# Altium PCB ALCT_MEZ_SPARTAN6T.PcbDoc (part 7 of 12)
Units mil, origin at the board's own origin, x right, y up, seen from the top; angles counter-clockwise.
Board outline 4100 x 5351.19 mil, 12 copper layers (Top Layer, Mid-Layer 1, +3V3, Mid-Layer 2, +1V2, Mid-Layer 4, +1V8, Mid-Layer 5, GND1, Mid-Layer 7, GND2, Bottom Layer), stack 64.7 mil thick; 320 components, 598 nets, 2316 pads, 1572 vias.
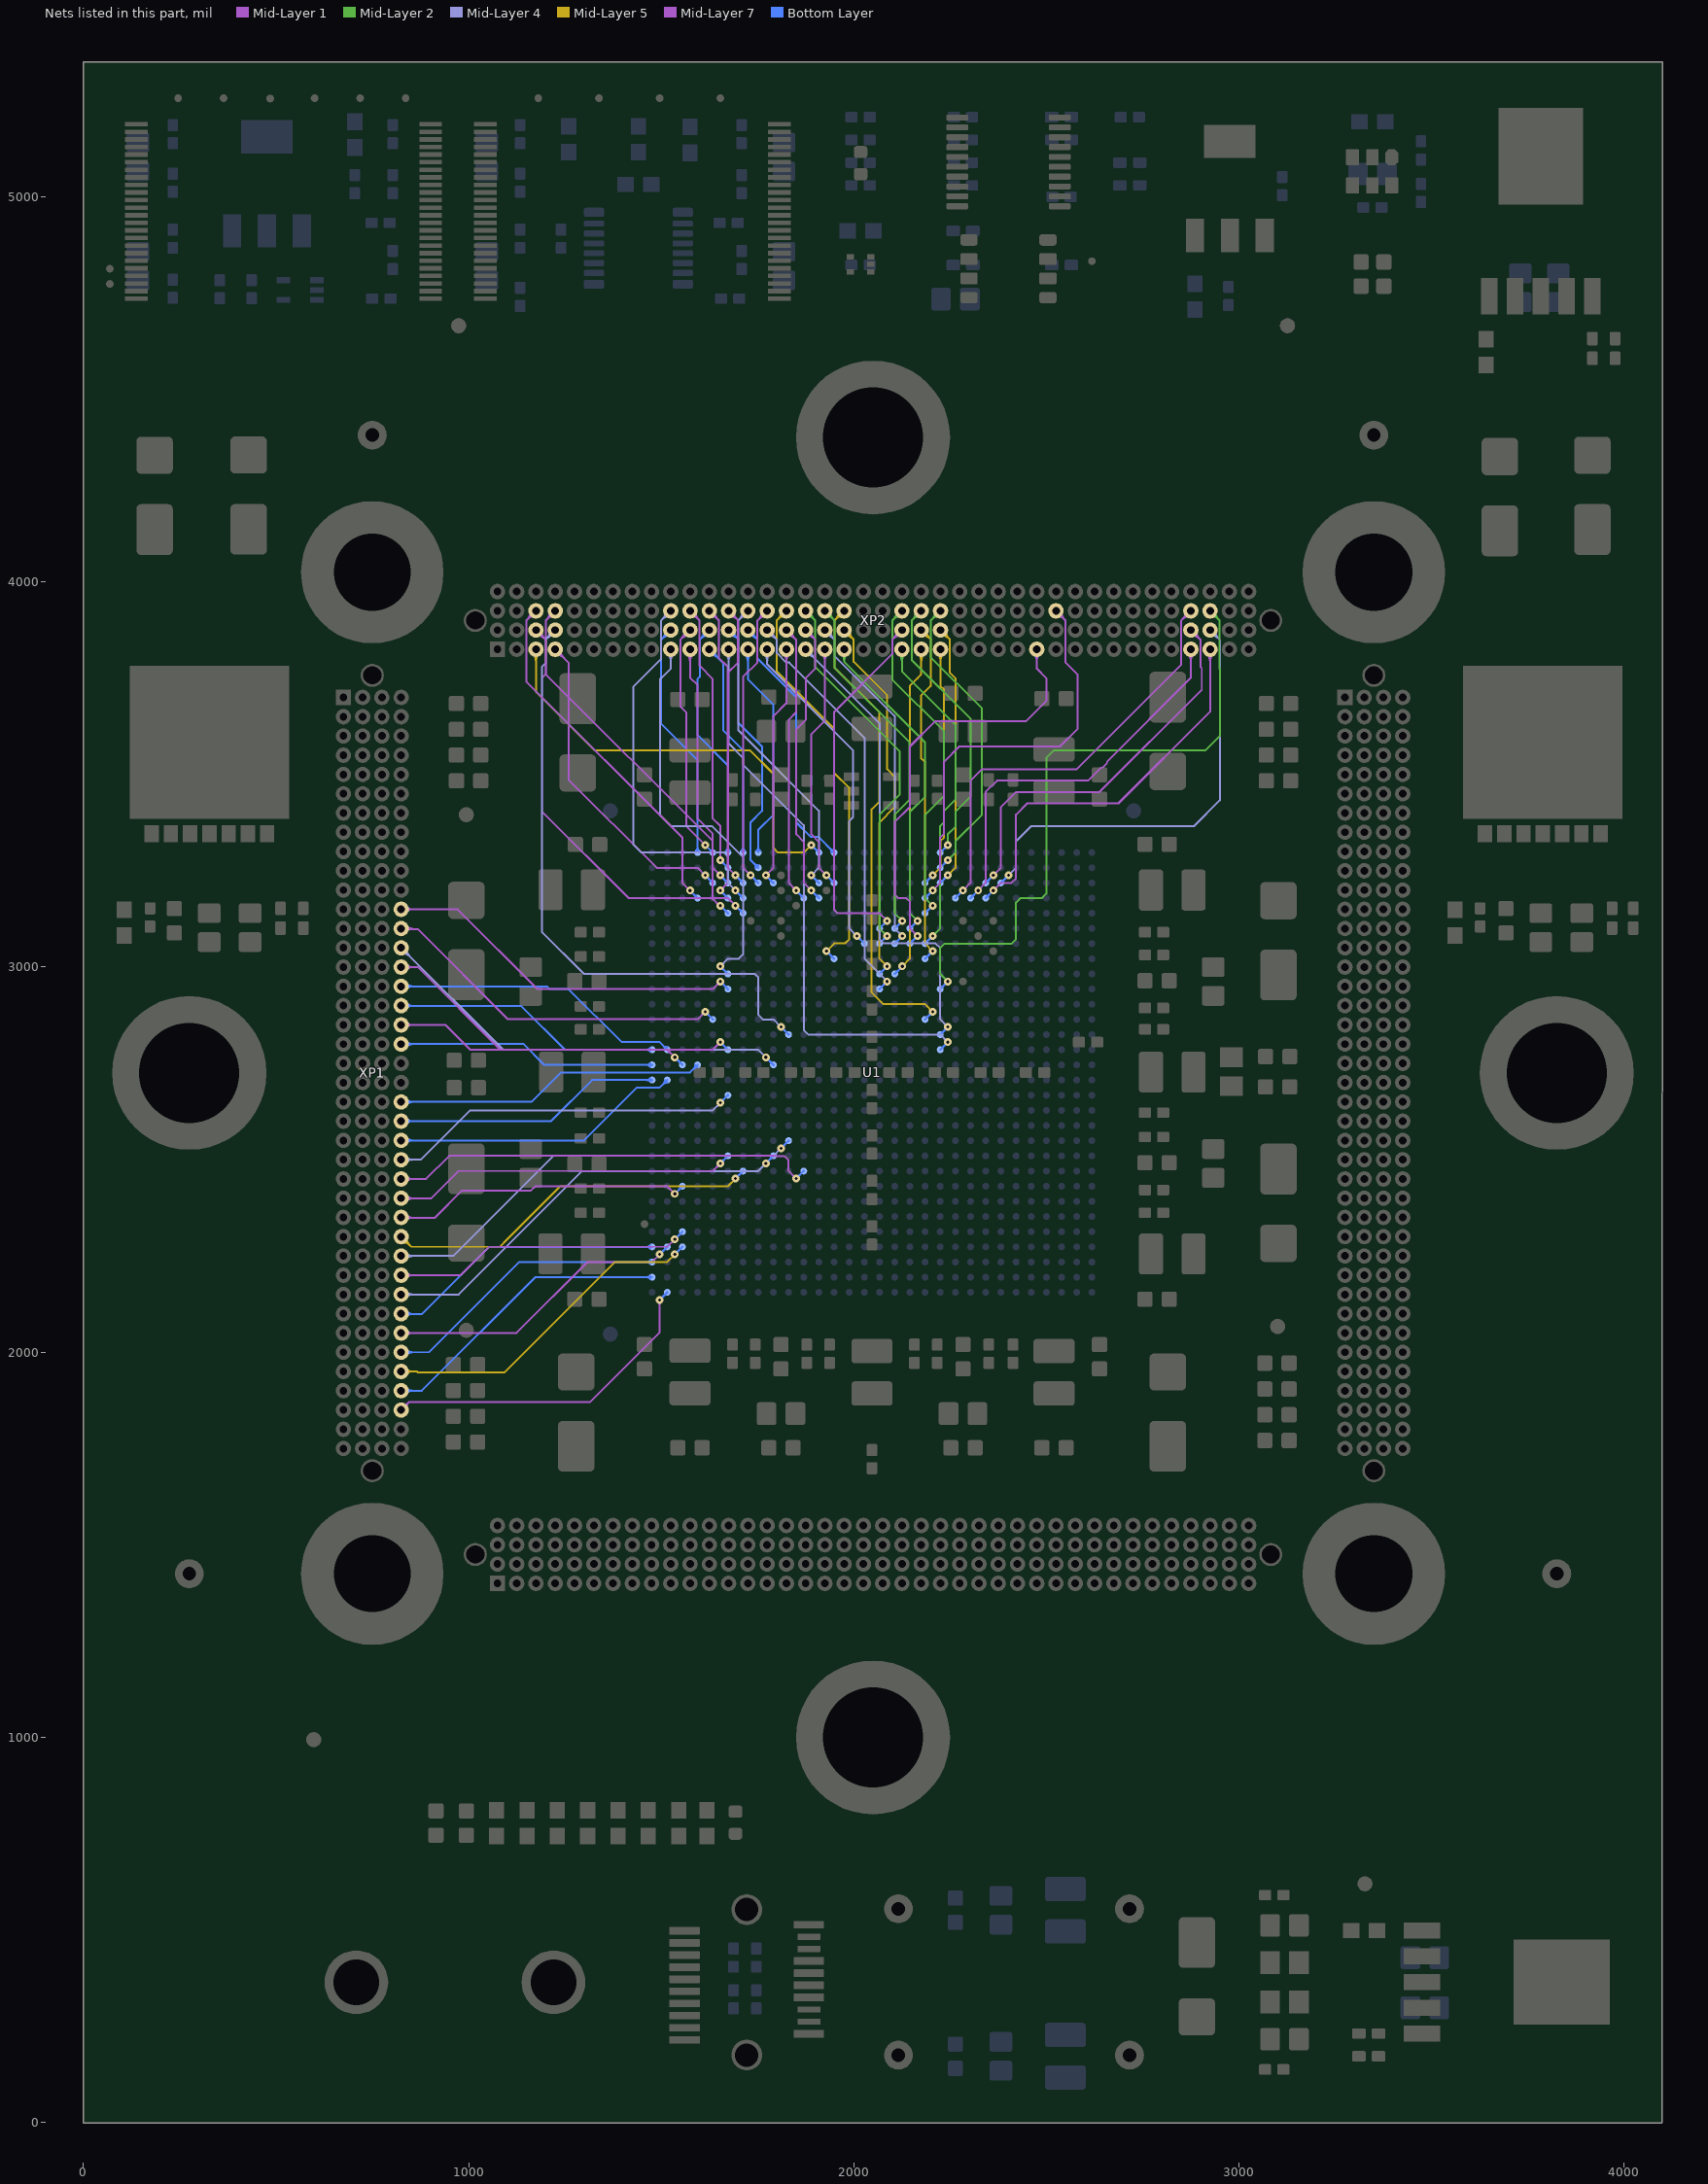
[diagram p17: the nets of this part, all layers, seen from the top]

## Via types
v1: diameter 20, hole 8, Top Layer to Bottom Layer, tented both sides, 1562 vias
v2: diameter 40, hole 20, Top Layer to Bottom Layer, 6 vias
v3: diameter 40, hole 20, Top Layer to Bottom Layer, tented both sides, 4 vias

## Nets (pads, with @x,y where several pads share a name; then routed paths per layer and width w, separated by ;. In a path a pad name is that pad's centre, name@x,y a point inside that pad or via, vN(x,y) a via of type N, cw(c..) or ccw(c..) an arc to the next point about the centre after c; other vN are vias at no path point) (continued)
XP1D_12: U1.AE21 XP1.D12 | length 1117.1
  Mid-Layer 1 w5: XP1.D12@825,3150 972.07,3150 1179.1,2942.97 1633.93,2942.97 v1(1653.56,2962.6) ; XP1.D12@834.54,3140.45 cw(c857.59,3117.41) 857.59,3150 ; XP1.D12@834.54,3159.55 ccw(c857.59,3182.59) 857.59,3150 ; XP1.D12@834.55,3140.45 cw(c857.6,3117.41) 857.6,3150 ; XP1.D12@834.55,3159.55 ccw(c857.6,3182.59) 857.6,3150 ; 845.52,3150 ccw(c845.52,3129.48) 831.01,3143.99 cw(c845.52,3129.48) 845.52,3150 ; 845.52,3150 cw(c845.52,3170.52) 831.01,3156.01 ccw(c845.52,3170.52) 845.52,3150
  Bottom Layer w6: v1(1653.56,2962.6) U1.AE21@1673.23,2942.91
XP1D_13: U1.AF19 XP1.D13 | length 1089.1
  Mid-Layer 1 w5: XP1.D13@825,3098.82 867.72,3098.82 1102.2,2864.34 1594.68,2864.34 v1(1614.18,2883.84) ; XP1.D13@834.54,3090.45 cw(c854.74,3070.26) 854.74,3098.82 ccw(c854.74,3070.26) XP1.D13@834.55,3090.45 ; XP1.D13@834.54,3109.55 ccw(c860.44,3135.44) 860.44,3098.82 cw(c860.45,3135.44) XP1.D13@834.55,3109.55 ; XP1.D13@831.01,3093.99 cw(c842.67,3082.33) 842.67,3098.82 ccw(c842.66,3082.33) XP1.D13@831.01,3093.99 ; XP1.D13@831.01,3106.01 ccw(c848.38,3123.37) 848.38,3098.82 cw(c848.37,3123.37) XP1.D13@831.01,3106.01
  Bottom Layer w6: v1(1614.18,2883.84) U1.AF19@1633.86,2864.17
XP1D_14: U1.AB16 XP1.D14 | length 1259.1
  Mid-Layer 4 w5: XP1.D14@825,3036.5 cw(c825,3003.91) 848.04,3026.95 cw(c871.09,3050) XP1.D14@838.5,3050 ; XP1.D14@825,3041.5 cw(c825,3020.98) 839.51,3035.49 ; XP1.D14@825,3036.5 cw(c825,3003.91) 848.05,3026.95 cw(c871.09,3050) XP1.D14@838.5,3050 ; XP1.D14@825,3041.5 cw(c825,3020.98) 839.51,3035.49 ; XP1.D14@825,3050 1089.57,2785.43 1623.83,2785.43 1624.02,2785.25 1752.16,2785.25 v1(1771.66,2765.75) ; XP1.D14@833.5,3050 ccw(c854.02,3050) 839.51,3035.49 ; XP1.D14@833.5,3050 ccw(c854.02,3050) 839.51,3035.49
  Bottom Layer w6: v1(1771.66,2765.75) U1.AB16@1791.34,2746.06
XP1D_15: U1.AE17 XP1.D15 | length 1120.2
  Mid-Layer 1 w5: XP1.D15@825,3000 868.11,3000 1082.63,2785.48 1633.93,2785.48 v1(1653.56,2805.11) ; XP1.D15@834.54,2990.45 cw(c857.59,2967.41) 857.59,3000 ; XP1.D15@834.54,3009.55 ccw(c857.59,3032.59) 857.59,3000 ; XP1.D15@834.55,2990.45 cw(c857.6,2967.41) 857.6,3000 ; XP1.D15@834.55,3009.55 ccw(c857.6,3032.59) 857.6,3000 ; 845.52,3000 ccw(c845.52,2979.48) 831.01,2993.99 cw(c845.52,2979.48) 845.52,3000 ; 845.52,3000 cw(c845.52,3020.52) 831.01,3006.01 ccw(c845.52,3020.52) 845.52,3000
  Bottom Layer w6: v1(1653.56,2805.11) U1.AE17@1673.23,2785.43
XP1D_16: U1.AJ17 XP1.D16 | length 949.9
  Bottom Layer w5: XP1.D16@825,2950 1203.54,2950 1210.44,2943.1 1259.66,2943.1 1397.64,2805.12 1496.06,2805.12 U1.AJ17@1515.75,2785.43 ; XP1.D16@834.54,2940.45 cw(c857.59,2917.41) 857.59,2950 ; XP1.D16@834.54,2959.55 ccw(c857.59,2982.59) 857.59,2950 ; XP1.D16@834.55,2940.45 cw(c857.6,2917.41) 857.6,2950 ; XP1.D16@834.55,2959.55 ccw(c857.6,2982.59) 857.6,2950 ; U1.AJ17@1509.39,2785.43 ccw(c1494.04,2785.43) 1504.89,2796.29 ccw(c1515.75,2807.14) U1.AJ17@1515.75,2791.79 ; 845.52,2950 ccw(c845.52,2929.48) 831.01,2943.99 cw(c845.52,2929.48) 845.52,2950 ; 845.52,2950 cw(c845.52,2970.52) 831.01,2956.01 ccw(c845.52,2970.52) 845.52,2950
XP1D_17: U1.AK17 XP1.D17 | length 889.3
  Bottom Layer w5: XP1.D17@825,2898.82 1136.61,2898.82 1250,2785.43 U1.AK17@1476.38,2785.43 ; XP1.D17@834.54,2890.45 cw(c854.74,2870.26) 854.74,2898.82 ccw(c854.74,2870.26) XP1.D17@834.55,2890.45 ; XP1.D17@834.54,2909.55 ccw(c860.44,2935.44) 860.44,2898.82 cw(c860.45,2935.44) XP1.D17@834.55,2909.55 ; U1.AK17@1471.88,2780.94 ccw(c1461.03,2770.08) 1461.03,2785.43 ccw(c1461.03,2800.78) U1.AK17@1471.88,2789.93 ; XP1.D17@831.01,2893.99 cw(c842.67,2882.33) 842.67,2898.82 ccw(c842.67,2882.33) XP1.D17@831.01,2893.99 ; XP1.D17@831.01,2906.01 ccw(c848.38,2923.37) 848.38,2898.82 cw(c848.37,2923.37) XP1.D17@831.01,2906.01
XP1D_18: U1.AH16 XP1.D18 | length 944.7
  Mid-Layer 7 w5: XP1.D18@825,2850 939.37,2850 1003.94,2785.43 1515.75,2785.43 v1(1535.43,2765.75) ; XP1.D18@834.54,2840.45 cw(c857.59,2817.41) 857.59,2850 ; XP1.D18@834.54,2859.55 ccw(c857.59,2882.59) 857.59,2850 ; XP1.D18@834.55,2840.45 cw(c857.6,2817.41) 857.6,2850 ; XP1.D18@834.55,2859.55 ccw(c857.6,2882.59) 857.6,2850 ; 845.52,2850 ccw(c845.52,2829.48) 831.01,2843.99 cw(c845.52,2829.48) 845.52,2850 ; 845.52,2850 cw(c845.52,2870.52) 831.01,2856.01 ccw(c845.52,2870.52) 845.52,2850
  Bottom Layer w6: v1@1532.11,2769.08 U1.AH16@1555.12,2746.06
XP1D_19: U1.AK16 XP1.D19 | length 864.7
  Bottom Layer w5: XP1.D19@825,2800 1142.93,2800 1196.87,2746.06 U1.AK16@1476.38,2746.06 ; XP1.D19@834.54,2790.45 cw(c857.59,2767.41) 857.59,2800 ; XP1.D19@834.54,2809.55 ccw(c857.59,2832.59) 857.59,2800 ; XP1.D19@834.55,2790.45 cw(c857.6,2767.41) 857.6,2800 ; XP1.D19@834.55,2809.55 ccw(c857.6,2832.59) 857.6,2800 ; U1.AK16@1471.88,2741.57 ccw(c1461.03,2730.71) 1461.03,2746.06 ccw(c1461.03,2761.41) U1.AK16@1471.88,2750.56 ; 845.52,2800 ccw(c845.52,2779.48) 831.01,2793.99 cw(c845.52,2779.48) 845.52,2800 ; 845.52,2800 cw(c845.52,2820.52) 831.01,2806.01 ccw(c845.52,2820.52) 845.52,2800
XP1D_22: U1.AG16 XP1.D22 | length 1000.2
  Bottom Layer w5: XP1.D22@825,2650 1163.78,2650 1240.16,2726.38 1574.8,2726.38 U1.AG16@1594.49,2746.06 ; XP1.D22@834.54,2640.45 cw(c857.59,2617.41) 857.59,2650 ; XP1.D22@834.54,2659.55 ccw(c857.59,2682.59) 857.59,2650 ; XP1.D22@834.55,2640.45 cw(c857.6,2617.41) 857.6,2650 ; XP1.D22@834.55,2659.55 ccw(c857.6,2682.59) 857.6,2650 ; U1.AG16@1588.13,2746.06 cw(c1572.78,2746.06) 1583.63,2735.21 cw(c1594.49,2724.35) U1.AG16@1594.49,2739.7 ; 845.52,2650 ccw(c845.52,2629.48) 831.01,2643.99 cw(c845.52,2629.48) 845.52,2650 ; 845.52,2650 cw(c845.52,2670.52) 831.01,2656.01 ccw(c845.52,2670.52) 845.52,2650
XP1D_23: U1.AK15 XP1.D23 | length 886.6
  Bottom Layer w5: XP1.D23@825,2600 1214.16,2600 1320.85,2706.69 U1.AK15@1476.38,2706.69 ; XP1.D23@834.54,2590.45 cw(c857.59,2567.41) 857.59,2600 ; XP1.D23@834.54,2609.55 ccw(c857.59,2632.59) 857.59,2600 ; XP1.D23@834.55,2590.45 cw(c857.6,2567.41) 857.6,2600 ; XP1.D23@834.55,2609.55 ccw(c857.6,2632.59) 857.6,2600 ; U1.AK15@1471.88,2702.2 ccw(c1461.03,2691.34) 1461.03,2706.69 ccw(c1461.03,2722.04) U1.AK15@1471.88,2711.19 ; 845.52,2600 ccw(c845.52,2579.48) 831.01,2593.99 cw(c845.52,2579.48) 845.52,2600 ; 845.52,2600 cw(c845.52,2620.52) 831.01,2606.01 ccw(c845.52,2620.52) 845.52,2600
XP1D_24: U1.AJ15 XP1.D24 | length 946.6
  Bottom Layer w5: XP1.D24@825,2550 1300,2550 1437.31,2687.31 1496.37,2687.31 U1.AJ15@1515.75,2706.69 ; XP1.D24@834.54,2540.45 cw(c857.59,2517.41) 857.59,2550 ; XP1.D24@834.54,2559.55 ccw(c857.59,2582.59) 857.59,2550 ; XP1.D24@834.55,2540.45 cw(c857.6,2517.41) 857.6,2550 ; XP1.D24@834.55,2559.55 ccw(c857.6,2582.59) 857.6,2550 ; U1.AJ15@1509.39,2706.69 cw(c1494.04,2706.69) 1504.89,2695.84 cw(c1515.75,2684.98) U1.AJ15@1515.75,2700.33 ; 845.52,2550 ccw(c845.52,2529.48) 831.01,2543.99 cw(c845.52,2529.48) 845.52,2550 ; 845.52,2550 cw(c845.52,2570.52) 831.01,2556.01 ccw(c845.52,2570.52) 845.52,2550
XP1D_25: U1.AE14 XP1.D25 | length 1084.4
  Mid-Layer 4 w5: XP1.D25@825,2500 875.98,2500 1003.94,2627.95 1633.89,2627.95 v1(1653.56,2647.63) ; XP1.D25@834.54,2490.45 cw(c857.59,2467.41) 857.59,2500 ; XP1.D25@834.54,2509.55 ccw(c857.59,2532.59) 857.59,2500 ; XP1.D25@834.55,2490.45 cw(c857.6,2467.41) 857.6,2500 ; XP1.D25@834.55,2509.55 ccw(c857.6,2532.59) 857.6,2500 ; 845.52,2500 ccw(c845.52,2479.48) 831.01,2493.99 cw(c845.52,2479.48) 845.52,2500 ; 845.52,2500 cw(c845.52,2520.52) 831.01,2506.01 ccw(c845.52,2520.52) 845.52,2500
  Bottom Layer w6: v1(1653.56,2647.63) U1.AE14@1673.24,2667.31
XP1D_26: U1.Y9 XP1.D26 | length 1285.5
  Mid-Layer 1 w5: XP1.D26@825,2450 889.96,2450 949.73,2509.77 1791.34,2509.77 1791.53,2509.59 1791.58,2509.64 1819.1,2509.64 1830.53,2498.22 1830.53,2470.64 v1(1850.39,2450.78) ; XP1.D26@834.54,2440.45 cw(c857.59,2417.41) 857.59,2450 ; XP1.D26@834.54,2459.55 ccw(c857.59,2482.59) 857.59,2450 ; XP1.D26@834.55,2440.45 cw(c857.6,2417.41) 857.6,2450 ; XP1.D26@834.55,2459.55 ccw(c857.6,2482.59) 857.6,2450 ; 845.52,2450 ccw(c845.52,2429.48) 831.01,2443.99 cw(c845.52,2429.48) 845.52,2450 ; 845.52,2450 cw(c845.52,2470.52) 831.01,2456.01 ccw(c845.52,2470.52) 845.52,2450
  Bottom Layer w6: v1(1850.39,2450.78) U1.Y9@1870.08,2470.47
XP1D_27: U1.AE10 XP1.D27 | length 1061.1
  Mid-Layer 1 w5: XP1.D27@825,2398.82 902.76,2398.82 974.58,2470.64 1634.06,2470.64 v1(1653.56,2490.14) ; XP1.D27@834.54,2390.45 cw(c854.74,2370.26) 854.74,2398.82 ccw(c854.74,2370.26) XP1.D27@834.55,2390.45 ; XP1.D27@834.54,2409.55 ccw(c860.44,2435.44) 860.44,2398.82 cw(c860.45,2435.44) XP1.D27@834.55,2409.55 ; XP1.D27@831.01,2393.99 cw(c842.67,2382.33) 842.67,2398.82 ccw(c842.66,2382.33) XP1.D27@831.01,2393.99 ; XP1.D27@831.01,2406.01 ccw(c848.38,2423.37) 848.38,2398.82 cw(c848.37,2423.37) XP1.D27@831.01,2406.01
  Bottom Layer w6: v1(1653.56,2490.14) U1.AE10@1673.23,2509.84
XP1D_28: U1.AH8 XP1.D28 | length 947.2
  Mid-Layer 1 w5: XP1.D28@825,2348.82 911.81,2348.82 982.68,2419.69 1161.79,2419.69 1173.03,2430.92 1515.94,2430.92 v1(1535.44,2411.41) ; XP1.D28@834.54,2340.45 cw(c854.74,2320.26) 854.74,2348.82 ccw(c854.74,2320.26) XP1.D28@834.55,2340.45 ; XP1.D28@834.54,2359.55 ccw(c860.44,2385.44) 860.44,2348.82 cw(c860.45,2385.44) XP1.D28@834.55,2359.55 ; XP1.D28@831.01,2343.99 cw(c842.67,2332.33) 842.67,2348.82 ccw(c842.66,2332.33) XP1.D28@831.01,2343.99 ; XP1.D28@831.01,2356.01 ccw(c848.38,2373.37) 848.38,2348.82 cw(c848.37,2373.37) XP1.D28@831.01,2356.01
  Bottom Layer w6: v1(1535.44,2411.41) U1.AH8@1555.12,2431.1
XP1D_29: U1.AD9 XP1.D29 | length 1147.1
  Mid-Layer 5 w5: XP1.D29@825,2286.5 cw(c825,2253.91) 848.04,2276.96 ; XP1.D29@825,2291.5 cw(c825,2270.98) 839.51,2285.49 ; XP1.D29@825,2286.5 cw(c825,2253.91) 848.05,2276.95 ; XP1.D29@825,2291.5 cw(c825,2270.98) 839.51,2285.49 ; XP1.D29@825,2300 851.19,2273.81 1080.91,2273.81 1092.33,2285.23 1092.33,2285.74 1237.51,2430.92 1673.07,2430.92 v1(1692.93,2450.78) ; XP1.D29@833.5,2300 ccw(c854.02,2300) 839.51,2285.49 ; XP1.D29@833.5,2300 ccw(c854.02,2300) 839.51,2285.49 ; XP1.D29@838.5,2300 ccw(c871.09,2300) 848.04,2276.96 ; XP1.D29@838.5,2300 ccw(c871.09,2300) 848.05,2276.95
  Bottom Layer w6: v1(1692.93,2450.78) U1.AD9@1712.6,2470.47
XP1D_30: U1.AA11 XP1.D30 | length 1296.5
  Mid-Layer 4 w5: XP1.D30@825,2250 960.63,2250 1220.47,2509.84 1791.34,2509.84 v1(1811.03,2529.53) ; XP1.D30@834.54,2240.45 cw(c857.59,2217.41) 857.59,2250 ; XP1.D30@834.54,2259.55 ccw(c857.59,2282.59) 857.59,2250 ; XP1.D30@834.55,2240.45 cw(c857.6,2217.41) 857.6,2250 ; XP1.D30@834.55,2259.55 ccw(c857.6,2282.59) 857.6,2250 ; 845.52,2250 ccw(c845.52,2229.48) 831.01,2243.99 cw(c845.52,2229.48) 845.52,2250 ; 845.52,2250 cw(c845.52,2270.52) 831.01,2256.01 ccw(c845.52,2270.52) 845.52,2250
  Bottom Layer w6: v1(1811.03,2529.53) U1.AA11@1830.71,2549.21
XP1D_31: U1.AH5 XP1.D31 | length 967.5
  Mid-Layer 1 w5: XP1.D31@825,2198.82 XP1.D31@828.25,2195.57 ; XP1.D31@825,2200 979.53,2200 1053.32,2273.79 ; XP1.D31@834.54,2190.45 cw(c857.59,2167.41) 857.59,2200 ; XP1.D31@834.54,2209.55 ccw(c857.59,2232.59) 857.59,2200 ; XP1.D31@834.55,2190.45 cw(c857.6,2167.41) 857.6,2200 ; XP1.D31@834.55,2209.55 ccw(c857.6,2232.59) 857.6,2200 ; 1072.83,2273.79 1053.32,2273.79 ; v1@1535.13,2292.99 1515.94,2273.79 1053.32,2273.79 ; 845.52,2200 ccw(c845.52,2179.48) 831.01,2193.99 cw(c845.52,2179.48) 845.52,2200 ; 845.52,2200 cw(c845.52,2220.52) 831.01,2206.01 ccw(c845.52,2220.52) 845.52,2200
  Bottom Layer w6: v1(1535.44,2293.29) U1.AH5@1555.12,2312.99
XP1D_32: U1.AB10 XP1.D32 | length 1282.2
  Mid-Layer 4 w5: XP1.D32@825,2150 974.41,2150 1294.88,2470.47 1751.99,2470.47 v1(1771.66,2490.14) ; XP1.D32@834.54,2140.45 cw(c857.59,2117.41) 857.59,2150 ; XP1.D32@834.54,2159.55 ccw(c857.59,2182.59) 857.59,2150 ; XP1.D32@834.55,2140.45 cw(c857.6,2117.41) 857.6,2150 ; XP1.D32@834.55,2159.55 ccw(c857.6,2182.59) 857.6,2150 ; 845.52,2150 ccw(c845.52,2129.48) 831.01,2143.99 cw(c845.52,2129.48) 845.52,2150 ; 845.52,2150 cw(c845.52,2170.52) 831.01,2156.01 ccw(c845.52,2170.52) 845.52,2150
  Bottom Layer w6: v1(1771.66,2490.14) U1.AB10@1791.34,2509.84
XP1D_33: U1.AK4 XP1.D33 | length 914.8
  Bottom Layer w5: XP1.D33@825,2098.82 878.35,2098.82 1053.15,2273.62 U1.AK4@1476.38,2273.62 ; XP1.D33@834.54,2090.45 cw(c854.74,2070.26) 854.74,2098.82 ccw(c854.74,2070.26) XP1.D33@834.55,2090.45 ; XP1.D33@834.54,2109.55 ccw(c860.44,2135.44) 860.44,2098.82 cw(c860.45,2135.44) XP1.D33@834.55,2109.55 ; U1.AK4@1471.88,2269.13 ccw(c1461.03,2258.27) 1461.03,2273.62 ccw(c1461.03,2288.97) U1.AK4@1471.88,2278.12 ; XP1.D33@831.01,2093.99 cw(c842.67,2082.33) 842.67,2098.82 ccw(c842.67,2082.33) XP1.D33@831.01,2093.99 ; XP1.D33@831.01,2106.01 ccw(c848.38,2123.37) 848.38,2098.82 cw(c848.37,2123.37) XP1.D33@831.01,2106.01
XP1D_34: U1.AJ4 XP1.D34 | length 950.2
  Mid-Layer 7 w5: XP1.D34@825,2050 1124.8,2050 1309.06,2234.25 1476.38,2234.25 v1(1496.06,2253.94) ; XP1.D34@834.54,2040.45 cw(c857.59,2017.41) 857.59,2050 ; XP1.D34@834.54,2059.55 ccw(c857.59,2082.59) 857.59,2050 ; XP1.D34@834.55,2040.45 cw(c857.6,2017.41) 857.6,2050 ; XP1.D34@834.55,2059.55 ccw(c857.6,2082.59) 857.6,2050 ; 845.52,2050 ccw(c845.52,2029.48) 831.01,2043.99 cw(c845.52,2029.48) 845.52,2050 ; 845.52,2050 cw(c845.52,2070.52) 831.01,2056.01 ccw(c845.52,2070.52) 845.52,2050
  Bottom Layer w6: v1@1496.09,2253.94 U1.AJ4@1515.76,2273.61
XP1D_35: U1.AK3 XP1.D35 | length 939.4
  Bottom Layer w5: XP1.D35@825,2000 897.64,2000 1131.89,2234.25 U1.AK3@1476.38,2234.25 ; XP1.D35@834.54,1990.45 cw(c857.59,1967.41) 857.59,2000 ; XP1.D35@834.54,2009.55 ccw(c857.59,2032.59) 857.59,2000 ; XP1.D35@834.55,1990.45 cw(c857.6,1967.41) 857.6,2000 ; XP1.D35@834.55,2009.55 ccw(c857.6,2032.59) 857.6,2000 ; U1.AK3@1471.88,2229.76 ccw(c1461.03,2218.9) 1461.03,2234.25 ccw(c1461.03,2249.6) U1.AK3@1471.88,2238.75 ; 845.52,2000 ccw(c845.52,1979.48) 831.01,1993.99 cw(c845.52,1979.48) 845.52,2000 ; 845.52,2000 cw(c845.52,2020.52) 831.01,2006.01 ccw(c845.52,2020.52) 845.52,2000
XP1D_36: U1.AH4 XP1.D36 | length 1032.5
  Mid-Layer 5 w5: XP1.D36@825,1950 866.14,1950 867.93,1948.22 1093.87,1948.22 1379.9,2234.25 1515.75,2234.25 v1(1535.43,2253.94) ; XP1.D36@834.54,1940.45 cw(c857.59,1917.41) 857.59,1950 ; XP1.D36@834.54,1959.55 ccw(c857.59,1982.59) 857.59,1950 ; XP1.D36@834.55,1940.45 cw(c857.6,1917.41) 857.6,1950 ; XP1.D36@834.55,1959.55 ccw(c857.6,1982.59) 857.6,1950 ; 845.52,1950 cw(c845.52,1970.52) 831.01,1956.01 ccw(c845.52,1970.52) 845.52,1950 ; 845.52,1950 ccw(c845.52,1929.48) 831.01,1943.99 cw(c845.52,1929.48) 845.52,1950
  Bottom Layer w6: v1(1535.43,2253.94) U1.AH4@1555.13,2273.61
XP1D_37: U1.AK2 XP1.D37 | length 964.5
  Bottom Layer w5: XP1.D37@825,1900 878.36,1900 1173.25,2194.88 U1.AK2@1476.38,2194.88 ; XP1.D37@834.54,1890.45 cw(c857.59,1867.41) 857.59,1900 ; XP1.D37@834.54,1909.55 ccw(c857.59,1932.59) 857.59,1900 ; XP1.D37@834.55,1890.45 cw(c857.6,1867.41) 857.6,1900 ; XP1.D37@834.55,1909.55 ccw(c857.6,1932.59) 857.6,1900 ; U1.AK2@1471.88,2190.39 ccw(c1461.03,2179.53) 1461.03,2194.88 ccw(c1461.03,2210.23) U1.AK2@1471.88,2199.38 ; 845.52,1900 ccw(c845.52,1879.48) 831.01,1893.99 cw(c845.52,1879.48) 845.52,1900 ; 845.52,1900 cw(c845.52,1920.52) 831.01,1906.01 ccw(c845.52,1920.52) 845.52,1900
XP1D_38: U1.AJ1 XP1.D38 | length 999.5
  Mid-Layer 7 w5: XP1.D38@825,1850 825,1850.21 844.87,1870.08 ; XP1.D38@838.41,1851.54 cw(c860.83,1854.12) 844.87,1870.08 ; XP1.D38@838.41,1851.55 cw(c860.81,1854.14) 844.87,1870.08 ; v1(1496.06,2135.83) 1496.06,2051.16 1314.98,1870.08 844.87,1870.08 ; 844.87,1870.08 cw(c828.57,1886.38) 826.32,1863.44 ccw(c828.57,1886.38) 844.87,1870.08 ; XP1.D38@825.83,1858.46 ccw(c827.23,1872.75) 837.39,1862.6 cw(c827.23,1872.76) XP1.D38@825.83,1858.46 ; XP1.D38@833.45,1850.98 cw(c847.7,1852.62) 837.55,1862.76 ccw(c847.7,1852.61) XP1.D38@833.44,1850.97
  Bottom Layer w6: v1(1496.06,2135.83) U1.AJ1@1515.75,2155.51
XP2A_3: U1.W30 XP2.A3 | length 1313.7
  Mid-Layer 5 w5: XP2.A3@1175,3825 1175,3714.78 1326.79,3562.99 1730.33,3562.99 1791.15,3502.17 1791.15,3309.22 1802.95,3297.43 1870.26,3297.43 v1(1889.76,3316.93) ; 1175,3792.41 cw(c1207.59,3792.41) 1184.55,3815.46 ccw(c1207.59,3792.4) 1175,3792.4 ; 1175,3792.41 ccw(c1142.41,3792.41) 1165.45,3815.46 cw(c1142.41,3792.4) 1175,3792.4 ; 1175,3804.48 cw(c1195.52,3804.48) 1181.01,3818.99 ccw(c1195.52,3804.48) 1175,3804.48 ; 1175,3804.48 ccw(c1154.48,3804.48) 1168.99,3818.99 cw(c1154.48,3804.48) 1175,3804.48
  Bottom Layer w6: v1(1889.76,3316.93) U1.W30@1909.45,3297.24
XP2A_4: U1.AF28 XP2.A4 | length 1005
  Mid-Layer 7 w5: XP2.A4@1225,3825 1259.84,3790.16 1259.84,3486.2 1488.36,3257.69 1594.68,3257.69 v1(1614.18,3238.19) ; 1239.51,3810.49 cw(c1254.02,3825) 1233.5,3825 ccw(c1254.02,3825) 1239.51,3810.49 ; 1239.51,3810.49 ccw(c1225,3795.98) 1225,3816.5 cw(c1225,3795.98) 1239.51,3810.49 ; 1248.04,3801.96 cw(c1271.09,3825) 1238.5,3825 ccw(c1271.09,3825) 1248.05,3801.95 ; 1248.04,3801.96 ccw(c1225,3778.91) 1225,3811.5 cw(c1225,3778.91) 1248.05,3801.95
  Bottom Layer w6: v1(1614.18,3238.19) U1.AF28@1633.86,3218.5
XP2A_10: U1.AE22 XP2.A10 | length 1220.9
  Mid-Layer 4 w5: XP2.A10@1525,3825 1525,3775 1497.69,3747.69 1497.69,3394.04 1525.59,3366.14 1631.91,3366.14 1712.6,3285.45 1712.6,3051.18 1712.43,3051.01 1712.43,3033.25 1701,3021.83 1683.25,3021.83 1683.05,3021.63 1673.23,3021.63 v1(1653.56,3001.96) ; 1525,3792.4 ccw(c1492.41,3792.4) 1515.45,3815.45 cw(c1492.41,3792.41) 1525,3792.41 ; 1525,3792.4 cw(c1557.59,3792.4) 1534.55,3815.45 ccw(c1557.59,3792.41) 1525,3792.41 ; 1525,3804.48 ccw(c1504.48,3804.48) 1518.99,3818.99 cw(c1504.48,3804.48) 1525,3804.48 ; 1525,3804.48 cw(c1545.52,3804.48) 1531.01,3818.99 ccw(c1545.52,3804.48) 1525,3804.48
  Bottom Layer w6: v1(1653.56,3001.96) U1.AE22@1673.23,2982.28
XP2A_11: U1.AE28 XP2.A11 | length 814
  Mid-Layer 7 w5: XP2.A11@1575,3825 1575,3751.75 1594.49,3732.27 1594.49,3385.83 1633.86,3346.46 1633.86,3257.9 v1(1653.57,3238.19) ; 1575,3792.4 ccw(c1542.41,3792.4) 1565.45,3815.45 cw(c1542.41,3792.41) 1575,3792.41 ; 1575,3792.4 cw(c1607.59,3792.4) 1584.55,3815.45 ccw(c1607.59,3792.41) 1575,3792.41 ; 1575,3804.48 ccw(c1554.48,3804.48) 1568.99,3818.99 cw(c1554.48,3804.48) 1575,3804.48 ; 1575,3804.48 cw(c1595.52,3804.48) 1581.01,3818.99 ccw(c1595.52,3804.48) 1575,3804.48
  Bottom Layer w6: v1(1653.57,3238.19) U1.AE28@1673.23,3218.5
XP2A_12: U1.AD30 XP2.A12 | length 766.8
  Bottom Layer w5: XP2.A12@1625,3825 1661.44,3788.56 1661.44,3781.48 ; 1661.44,3769.68 1661.44,3781.48 ; U1.AD30@1708.1,3301.74 ccw(c1697.25,3312.59) 1712.6,3312.59 ccw(c1727.95,3312.59) U1.AD30@1717.09,3301.74 ; U1.AD30@1712.6,3297.24 1712.6,3562.99 1661.44,3614.16 1661.44,3781.48 ; 1639.51,3810.49 ccw(c1625,3795.98) 1625,3816.5 cw(c1625,3795.98) 1639.51,3810.49 ; 1639.51,3810.49 cw(c1654.02,3825) 1633.5,3825 ccw(c1654.02,3825) 1639.51,3810.49 ; 1648.05,3801.95 ccw(c1625,3778.9) 1625,3811.5 cw(c1625,3778.91) 1648.04,3801.96 ; 1648.05,3801.95 cw(c1671.09,3825) 1638.5,3825 ccw(c1671.09,3825) 1648.04,3801.96
XP2A_13: U1.L17 XP2.A13 | length 1651
  Mid-Layer 4 w5: XP2.A13@1675,3825 1675,3580.91 1712.78,3543.12 1712.78,3525.39 1870.08,3368.09 1870.08,2836.6 1881.7,2824.98 2224.23,2824.98 v1(2244.09,2805.11) ; 1675,3792.4 ccw(c1642.41,3792.4) 1665.45,3815.45 cw(c1642.41,3792.41) 1675,3792.41 ; 1675,3792.4 cw(c1707.59,3792.4) 1684.55,3815.45 ccw(c1707.59,3792.41) 1675,3792.41 ; 1675,3804.48 ccw(c1654.48,3804.48) 1668.99,3818.99 cw(c1654.48,3804.48) 1675,3804.48 ; 1675,3804.48 cw(c1695.52,3804.48) 1681.01,3818.99 ccw(c1695.52,3804.48) 1675,3804.48
  Bottom Layer w6: U1.L17@2224.41,2785.43 v1(2244.09,2805.11)
XP2A_14: U1.AC30 XP2.A14 | length 762.5
  Bottom Layer w5: XP2.A14@1725,3825 1725,3747.44 1791.34,3681.1 1791.34,3395.67 1751.97,3356.3 U1.AC30@1751.97,3297.24 ; U1.AC30@1747.47,3301.74 ccw(c1736.62,3312.59) 1751.97,3312.59 ccw(c1767.32,3312.59) U1.AC30@1756.46,3301.74 ; 1725,3792.4 ccw(c1692.41,3792.4) 1715.45,3815.45 cw(c1692.41,3792.41) 1725,3792.41 ; 1725,3792.4 cw(c1757.59,3792.4) 1734.55,3815.45 ccw(c1757.59,3792.41) 1725,3792.41 ; 1725,3804.48 ccw(c1704.48,3804.48) 1718.99,3818.99 cw(c1704.48,3804.48) 1725,3804.48 ; 1725,3804.48 cw(c1745.52,3804.48) 1731.01,3818.99 ccw(c1745.52,3804.48) 1725,3804.48